# Altium PCB Venato_PCB_v2.PcbDoc (part 2 of 2)
Units mm, origin at the board's own origin, x right, y up, seen from the top; angles counter-clockwise.
Board outline 81.12 x 49.73 mm, 4 copper layers (Top Layer, GND, PWR, Bottom Layer), stack 1.586 mm thick; 111 components, 90 nets, 476 pads, 277 vias.
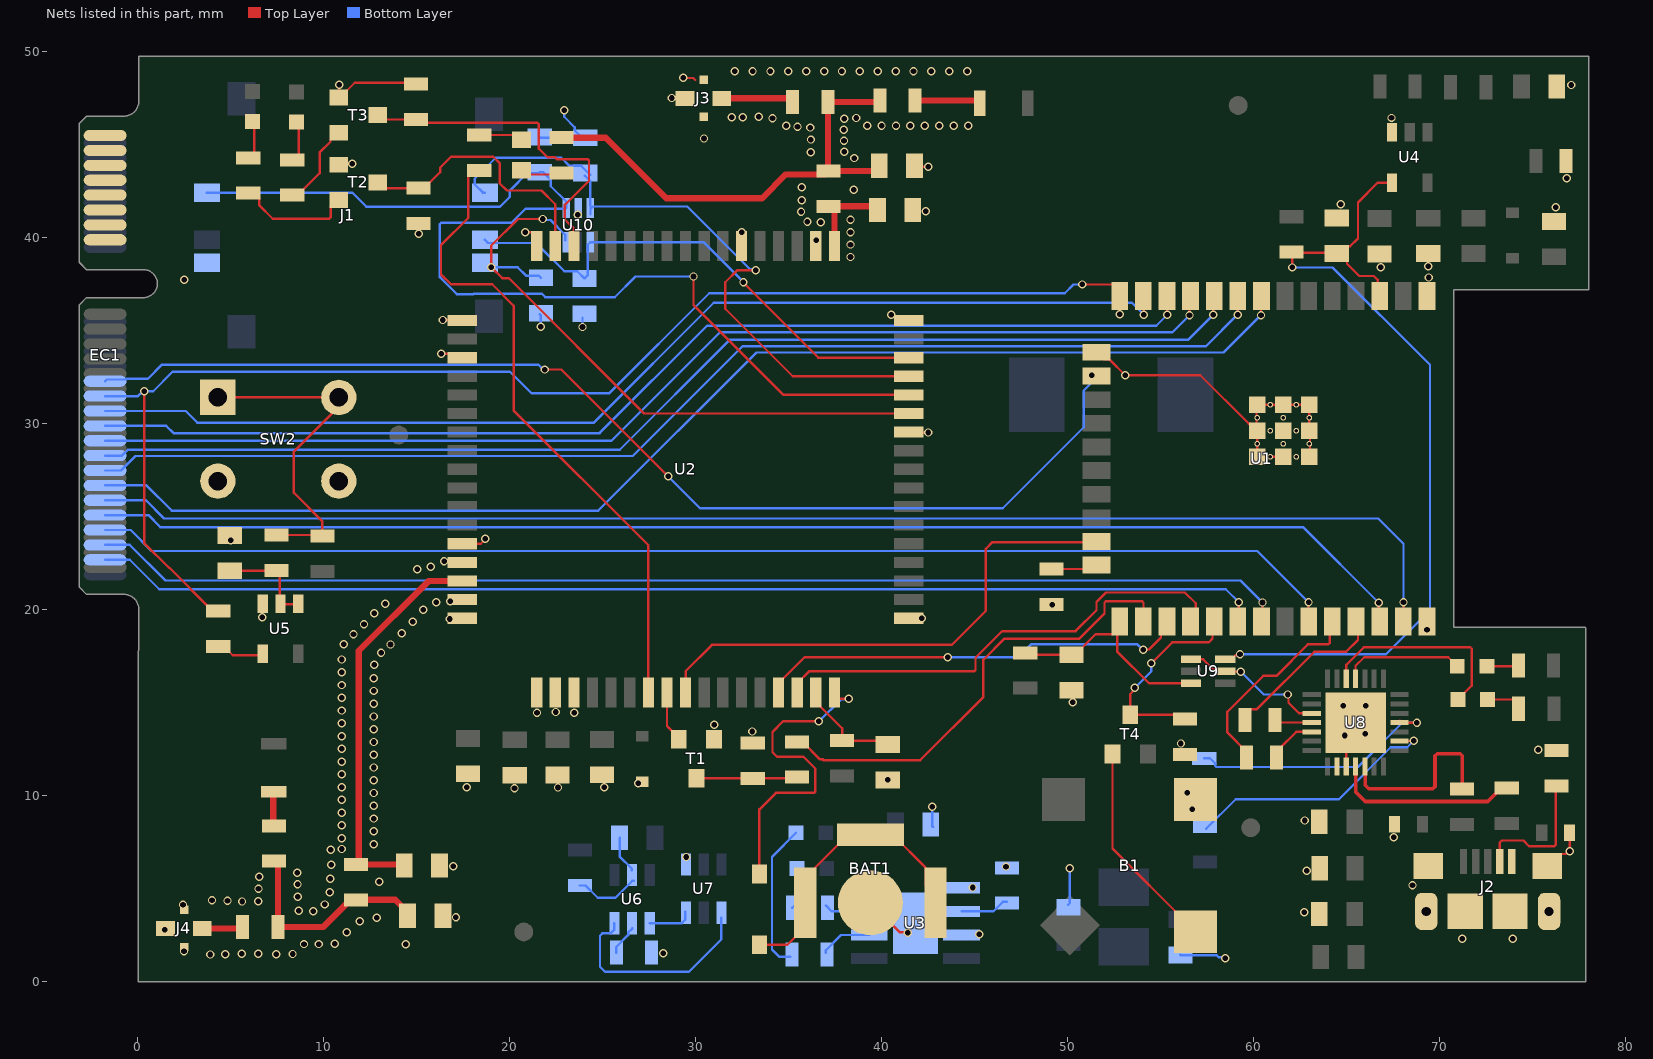
[diagram p4: the nets of this part, all layers, seen from the top]

## Via types
v1: diameter 0.45, hole 0.3, Top Layer to Bottom Layer, 277 vias

## Nets (pads, with @x,y where several pads share a name; then routed paths per layer and width w, separated by ;. In a path a pad name is that pad's centre, name@x,y a point inside that pad or via, vN(x,y) a via of type N, cw(c..) or ccw(c..) an arc to the next point about the centre after c; other vN are vias at no path point) (continued)
ESP32_RESET: C4.2 R2.2 U1.3 U4.4 U9.6 | length 46.9
  Top Layer w0.127: U9.6@58.466,17.33 58.811,17.33 59.021,17.54 59.195,17.54 v1(59.256,17.602) ; v1(62.069,38.385) R2.2@62.069,39.342 ; R2.2@62.266,39.173 64.42,39.173 C4.2@64.452,39.141 C4.2@64.624,39.141 ; U1.3@66.664,37.254 66.653,37.265 66.653,37.723 66.45,37.926 65.667,37.926 65.01,38.583 65.01,38.754 C4.2@64.624,39.141 ; U4.4@67.43,42.944 66.664,42.944 65.596,41.876 65.596,39.946 65.177,39.527 65.01,39.527 C4.2@64.624,39.141
  Bottom Layer w0.127: v1(59.256,17.602) 67.103,17.602 69.465,19.965 69.465,33.154 64.234,38.385 v1(62.069,38.385)
ESP32_RX: G2.1 U1.34 | length 10.9
  Top Layer w0.127: G2.1@59.613,12.056 59.613,12.356 58.578,13.391 58.578,14.509 60.505,16.436 61.213,16.436 62.907,18.13 64.014,18.13 64.088,18.205 64.088,19.037 U1.34@64.208,19.157
ESP32_RX_G: G2.2 U8.26 | length 2.2
  Top Layer w0.127: G2.2@61.387,12.412 61.387,12.53 62.283,13.426 U8.26@63.108,13.426
ESP32_TX: G1.1 U1.35 | length 8.9
  Top Layer w0.127: G1.1@59.537,14.061 59.537,14.361 59.824,14.648 60.172,14.648 63.254,17.73 64.958,17.73 65.596,18.368 U1.35@65.596,19.269
ESP32_TX_G: G1.2 U8.25 | length 2
  Top Layer w0.127: G1.2@61.23,14.126 61.23,14.12 61.424,13.926 U8.25@63.108,13.926
GND: B1.2 BAT1.2 C1.1 C2.1 C3.1 C4.1 C5.1 C6.1 C7.1 C8.1 C9.1 C10.1 C11.1 C12.2 C13.2 C15.1 C16.1 C17.1 C18.1 C19.1 C20.1 C21.1 C22.1 C23.1 C24.1 C25.1 C26.1 C27.1 D3.2 EC1.1 EC1.3 EC1.5 EC1.7 EC1.9 EC1.11 EC1.13 EC1.15 G3.1 J1.5 J2.5 J2.6 J2.7 J2.8 J2.9 J2.10 J2.11 J3.G1 J3.G2 J3.G3 J4.G1 J4.G2 J4.G3 R4.2 R8.1 R15.1 R21.2 R22.1 R31.1 R32.1 R35.1 R36.1 SW2.3 SW2.4 T1.1 T2.1 T3.1 U1.1 U1.15 U1.38 U1.39_1 U1.39_2 U1.39_3 U1.39_4 U1.39_5 U1.39_6 U1.39_7 U1.39_8 U1.39_9 U1.39_10 U1.39_11 U1.39_12 U1.39_13 U1.39_14 U1.39_15 U1.39_16 U1.39_17 U1.39_18 U1.39_19 U1.39_20 U1.39_21 U2.1 U2.2 U2.3 U2.18 U2.28 U2.34 U2.36 U2.40 U2.51 U2.52 U2.54 U2.64 U2.65 U2.67 U2.68 U3.1 U3.3 U3.9 U4.3 U5.3 U7.1 U8.3 U8.29 U10.2 Z1.1 Z2.1 | length 53.5
  Top Layer w0.127: T2.1@10.821,43.906 10.882,43.967 v1(11.557,43.967) ; v1(10.846,48.209) 10.846,47.555 T3.1@10.811,47.52 10.886,47.52 11.677,48.311 R32.1@14.847,48.311 ; R31.1@15.071,40.772 15.113,40.731 v1(15.113,40.186) ; v1@16.255,33.73 16.275,33.751 v1(16.327,33.751) 17.246,33.751 U2.54@17.461,33.536 ; v1@16.465,35.563 17.434,35.563 U2.52@17.461,35.536 ; U2.64@17.461,23.536 18.451,23.536 18.647,23.732 v1@18.733,23.732 ; v1(20.848,40.271) U2.51@21.224,40.271 ; U2.51@21.224,40.272 21.461,40.036 U2.51@21.461,39.536 ; v1(29.33,48.578) 29.34,48.567 29.877,48.567 29.983,48.461 ; BAT1.2@39.392,4.244 40.988,2.648 41.38,2.648 v1(41.404,2.624) ; v1(40.513,35.839) 40.6,35.839 40.668,35.772 41.455,35.772 U2.34@41.647,35.58 ; U2.28@41.461,29.536 41.482,29.515 42.469,29.515 v1@42.494,29.54 ; C25.1@41.763,43.854 41.827,43.79 v1(42.494,43.79) ; U1.15@51.542,33.822 51.928,33.435 52.251,33.435 v1(53.09,32.596) 57.125,32.596 59.728,29.993 59.795,29.993 U1.39_8@60.182,29.607 60.182,28.42 U1.39_9@60.269,28.332 ; U1.39_8@60.147,29.654 60.147,30.972 U1.39_7@60.182,31.007 ; U1.39_9@60.182,28.207 U1.39_6@61.582,28.207 61.703,28.207 U1.39_6@61.754,28.155 ; U1.39_7@60.337,30.975 60.369,31.007 U1.39_4@61.582,31.007 ; U1.39_4@61.564,31.098 61.655,31.007 U1.39_1@62.982,31.007 62.982,29.612 U1.39_2@63.021,29.572 ; U1.39_3@62.982,28.207 63.021,28.246 U1.39_2@63.021,29.572 ; U1.39_2@63.13,29.463 U1.39_2@63.021,29.572 ; U8.29@64.915,13.237 64.968,13.184 U8.3@64.968,11.566 ; J2.7@75.769,6.226 76.405,6.863 76.752,6.863 76.9,7.01 v1(76.987,7.01) 76.987,7.987 Z1.1@76.973,8.002
  Bottom Layer w0.127: C18.1@21.622,45.396 21.671,45.347 23.888,45.347 C17.1@23.896,45.355 ; C15.1@21.633,35.863 21.681,35.815 v1(21.681,35.204) ; v1(22.938,46.839) 22.938,46.485 23.509,45.913 23.509,45.742 C17.1@23.896,45.355 ; v1(23.92,35.184) C16.1@23.92,35.697 ; C17.1@24.067,45.355 C17.1@23.896,45.355 ; v1(42.726,9.398) 42.726,8.348 C9.1@42.762,8.312 ; C23.1@50.022,4.139 50.109,4.226 v1(50.109,6.095) ; C22.1@56.052,1.439 56.061,1.43 57.987,1.43 58.103,1.314 58.404,1.314 v1(58.466,1.252)
  other v1: 3.912,1.462 4.724,1.476 7.456,1.476 5.607,1.504 6.489,1.504 8.339,1.49 28.27,1.524 2.503,1.642 14.426,2.004 8.955,2.022 9.74,2.022 10.608,2.036 71.196,2.311 73.914,2.311 45.251,2.553 11.253,2.652 1.47,2.801 11.953,3.241 12.864,3.437 17.12,3.454 62.719,3.73 9.442,3.791 8.669,3.822 2.453,4.14 10.071,4.152 5.625,4.31 6.501,4.319 4.842,4.353 4.009,4.368 8.628,4.574 10.339,4.811 6.51,4.998 44.884,5.064 68.529,5.182 8.607,5.234 12.996,5.378 10.37,5.522 6.553,5.642 8.587,5.852 62.836,5.956 16.967,6.198 46.68,6.188 10.421,6.275 29.507,6.703 10.401,7.092 10.976,7.133 12.695,7.396 10.977,7.713 67.513,7.772 12.695,8.082 10.977,8.399 62.729,8.664 12.695,8.768 10.977,9.085 56.685,9.261 12.695,9.453 10.977,9.771 12.695,10.139 56.413,10.16 20.267,10.395 22.605,10.435 10.977,10.456 17.699,10.455 25.083,10.455 26.922,10.672 12.695,10.825 40.332,10.853 10.977,11.142 12.695,11.511 10.977,11.828 12.695,12.196 75.286,12.457 10.977,12.514 56.083,12.802 12.695,12.882 10.977,13.199 64.897,13.229 65.986,13.329 33.046,13.447 12.695,13.568 31.012,13.803 10.977,13.885 12.695,14.254 21.476,14.462 23.484,14.452 22.475,14.492 10.977,14.571 64.811,14.821 66.014,14.821 12.695,14.939 50.267,15.011 10.977,15.257 12.695,15.625 10.977,15.942 12.695,16.311 10.977,16.628 12.728,17.036 10.977,17.314 13.095,17.672 13.602,18.119 11.096,18.127 11.614,18.673 14.199,18.726 69.308,18.904 12.178,19.209 14.803,19.345 16.788,19.491 42.15,19.528 6.706,19.583 12.732,19.81 15.359,19.995 49.175,20.256 13.324,20.309 16.062,20.392 16.819,20.452 15.034,22.167 15.773,22.305 16.48,22.6 5.019,23.727 18.694,23.797 42.494,29.515 16.407,35.563 2.515,37.719 69.403,37.845 66.825,38.404 69.375,38.44 38.324,38.947 38.324,39.616 36.478,39.839 32.473,40.27 38.324,40.285 36.724,40.817 36.011,40.849 38.324,40.953 23.674,41.214 35.667,41.372 42.367,41.402 76.221,41.628 64.673,41.777 35.695,42.004 38.491,42.562 35.699,42.696 76.817,43.188 38.528,44.264 36.178,44.584 37.992,44.61 37.974,45.201 36.199,45.259 30.45,45.315 37.958,45.788 36.168,45.903 35.474,45.942 34.867,45.996 39.217,45.999 39.993,45.999 40.769,45.999 41.545,45.999 42.32,45.999 43.096,45.999 43.872,45.999 44.648,45.999 37.992,46.381 34.131,46.402 38.632,46.416 67.399,46.42 31.948,46.453 32.532,46.453 33.395,46.478 28.709,47.494 77.056,48.189 32.1,48.93 33.061,48.93 34.022,48.93 34.982,48.93 35.943,48.93 36.904,48.93 37.865,48.93 38.826,48.93 39.787,48.93 40.748,48.93 41.709,48.93 42.67,48.93 43.631,48.93 44.591,48.93
GPS_ANT: C24.2 R25.1 U2.35 | length 4.3
  Top Layer w0.336: R25.1@37.279,41.668 37.461,41.486 U2.35@37.461,39.536 ; R25.1@37.377,41.668 C24.2@39.503,41.668
GSM_ANT: C26.2 R27.1 U2.66 | length 21.3
  Top Layer w0.336: C26.2@14.392,6.303 11.902,6.303 R27.1@11.751,6.303 11.902,6.454 11.902,17.79 15.648,21.536 U2.66@17.461,21.536
IO0: C3.2 R1.2 U1.25 U9.3 | length 11.8
  Top Layer w0.127: R1.2@47.752,17.644 47.827,17.569 C3.2@50.198,17.569 ; C3.2@50.292,17.432 50.292,17.463 51.499,18.67 52.405,18.67 52.792,19.057 U1.25@52.792,19.357 ; U1.25@52.655,18.87 52.655,17.751 54.376,16.03 U9.3@56.626,16.03
IO2: R35.2 U1.24 | length 2.5
  Top Layer w0.127: R35.2@49.119,22.182 51.328,22.182 U1.24@51.548,22.402
IO5: R36.2 T4.3 U1.29 | length 10.8
  Top Layer w0.127: v1(53.601,15.79) 53.601,15.703 53.355,15.457 T4.3@53.355,14.339 56.219,14.339 R36.2@56.297,14.261 ; v1(54.496,17.115) 55.614,18.233 57.575,18.233 57.781,18.439 U1.29@57.781,19.214
  Bottom Layer w0.127: v1(53.601,15.79) 54.496,16.685 v1(54.496,17.115)
IO12: EC1.28 R11.2 U1.14 | length 73
  Top Layer w0.127: v1(0.36,31.736) 0.36,23.578 1.696,22.242 1.728,22.242 4.045,19.925 R11.2@4.345,19.925 ; v1(50.785,37.472) 52.405,37.472 52.769,37.108 U1.14@52.769,36.469 ; v1@52.773,35.916 52.795,35.938 U1.14@52.795,36.469
  Bottom Layer w0.127: EC1.28@-1.737,31.473 0.036,31.473 0.3,31.736 0.848,31.736 1.89,32.779 20.028,32.779 21.191,31.616 25.354,31.616 30.734,36.996 49.836,36.996 50.312,37.472 v1(50.785,37.472)
  other v1: 52.795,35.875
IO13: EC1.26 U1.16 | length 61.2
  Top Layer w0.127: v1(21.899,32.897) 22.782,32.897 v1(28.521,27.159) ; v1(51.286,32.602) 51.491,32.602 U1.16@51.542,32.552
  Bottom Layer w0.127: EC1.26@-1.737,32.273 -1.646,32.363 -0.611,32.363 -0.576,32.399 0.566,32.399 1.33,33.163 21.547,33.163 21.812,32.897 v1(21.899,32.897) ; v1(28.521,27.159) 30.236,25.444 46.507,25.444 50.856,29.793 50.856,31.764 51.278,32.186 51.278,32.594 v1(51.286,32.602)
IO14: EC1.30 U1.13 | length 60.1
  Top Layer w0.127: U1.13@54.062,36.857 54.085,36.833 v1(54.085,35.851) 54.085,35.843 v1@54.075,35.833
  Bottom Layer w0.127: EC1.30@-1.737,30.673 2.595,30.673 3.22,30.048 24.532,30.048 30.975,36.491 53.445,36.491 v1(54.085,35.851)
IO15: U1.23 U2.9 | length 27.8
  Top Layer w0.127: U2.9@29.461,15.536 29.461,16.688 30.873,18.101 43.764,18.101 45.601,19.937 45.601,23.271 45.953,23.624 U1.23@51.266,23.624
IO18: EC1.50 U1.30 | length 62.9
  Top Layer w0.127: U1.30@59.142,19.357 59.195,19.41 v1(59.195,20.388)
  Bottom Layer w0.127: EC1.50@-1.737,22.673 -0.408,22.673 1.173,21.091 58.492,21.091 v1(59.195,20.388)
IO19: EC1.48 U1.31 | length 64.6
  Top Layer w0.127: U1.31@60.412,19.357 60.466,19.411 60.466,20.374 v1@60.516,20.423
  Bottom Layer w0.127: EC1.48@-1.737,23.473 -0.408,23.473 1.502,21.563 59.282,21.563 v1(60.466,20.379)
IO21: EC1.46 U1.33 | length 67.3
  Top Layer w0.127: U1.33@62.952,19.357 62.941,19.367 62.941,20.348 v1@62.958,20.366
  Bottom Layer w0.127: EC1.46@-1.737,24.273 -0.36,24.273 0.765,23.148 60.181,23.148 v1(62.941,20.388)
IO22: EC1.44 U1.36 | length 71.5
  Top Layer w0.127: v1@66.652,20.37 66.714,20.307 66.714,19.404 U1.36@66.762,19.357
  Bottom Layer w0.127: EC1.44@-1.737,25.073 0.591,25.073 1.232,24.432 62.65,24.432 v1(66.714,20.367)
IO23: EC1.42 U1.37 | length 75
  Top Layer w0.127: U1.37@68.032,19.357 68.042,19.367 68.042,20.281 v1@68.131,20.37
  Bottom Layer w0.127: EC1.42@-1.737,25.873 0.455,25.873 1.434,24.894 66.685,24.894 68.042,23.537 v1(68.042,20.387)
IO25: EC1.36 U1.10 | length 63.7
  Top Layer w0.127: v1@57.854,35.848 57.826,35.876 57.826,36.811 U1.10@57.872,36.857
  Bottom Layer w0.127: EC1.36@-1.737,28.273 -0.824,28.273 -0.509,28.588 25.923,28.588 31.825,34.49 56.464,34.49 v1(57.826,35.853)
IO26: EC1.34 U1.11 | length 62.2
  Top Layer w0.127: v1@56.537,35.788 56.542,35.792 v1(56.542,35.819) 56.542,36.797 U1.11@56.602,36.857
  Bottom Layer w0.127: EC1.34@-1.737,29.073 1.299,29.073 1.307,29.064 25.468,29.064 31.297,34.894 55.616,34.894 v1(56.542,35.819)
IO27: EC1.32 U1.12 | length 60.9
  Top Layer w0.127: U1.12@55.332,36.857 55.347,36.841 55.347,35.909 v1@55.363,35.893
  Bottom Layer w0.127: EC1.32@-1.737,29.873 1.555,29.873 1.948,29.48 24.84,29.48 30.615,35.255 54.757,35.255 v1(55.347,35.845)
IO32: EC1.40 U1.8 | length 68.1
  Top Layer w0.127: v1@60.396,35.816 60.386,35.827 60.386,36.831 U1.8@60.412,36.857
  Bottom Layer w0.127: EC1.40@-1.737,26.673 0.488,26.673 1.855,25.305 24.763,25.305 33.269,33.811 58.376,33.811 v1(60.386,35.821)
IO33: EC1.38 U1.9 | length 65.3
  Top Layer w0.127: v1@59.119,35.856 59.131,35.867 59.131,36.846 U1.9@59.142,36.857
  Bottom Layer w0.127: EC1.38@-1.737,27.473 -0.887,27.473 -0.109,28.25 26.622,28.25 32.518,34.146 57.424,34.146 v1(59.131,35.853)
NET: R31.2 T2.3 U2.50 | length 14.2
  Top Layer w0.127: T2.3@12.921,42.956 13.246,42.632 R31.2@14.957,42.632 ; R31.2@15.16,42.694 15.465,42.694 16.28,43.51 16.28,43.752 16.861,44.332 19.129,44.332 19.469,43.992 19.469,42.908 19.859,42.518 21.724,42.518 22.461,41.781 U2.50@22.461,39.536
NetANT1_1: ANT1.1 R23.2 | length 3.2
  Top Layer w0.336: R23.2@41.802,47.356 ANT1.1@45.009,47.356
NetANT2_1: ANT2.1 R24.2 | length 1.7
  Top Layer w0.336: ANT2.1@7.308,10.107 7.308,8.414 R24.2@7.346,8.376
NetB1_1: B1.1 T4.1 | length 11.2
  Top Layer w0.127: T4.1@52.405,12.239 52.405,7.154 56.45,3.109 B1.1@56.838,3.109
NetBAT1_1: BAT1.1 D7.2 | length 13.9
  Top Layer w0.127: D7.2@33.426,1.987 34.935,1.987 36.286,3.338 BAT1.1@36.286,3.815 ; BAT1.1@35.389,5.299 35.646,5.299 36.428,6.081 36.428,6.131 38.192,7.894 BAT1.1@39.392,7.894 40.592,7.894 42.355,6.131 42.355,5.194 BAT1.1@42.529,5.02
NetC8_2: C8.2 R5.2 U2.16 | length 5.5
  Top Layer w0.127: U2.16@36.45,15.531 36.45,15.046 37.875,13.621 R5.2@37.875,12.955 39.887,12.955 C8.2@40.124,12.718
NetC14_2: C14.2 R14.1 U6.5 | length 5.6
  Bottom Layer w0.127: R14.1@23.781,5.169 24.081,5.169 24.741,4.509 25.687,4.509 26.594,5.417 U6.5@26.666,5.417 ; C14.2@25.916,7.732 25.916,6.728 26.577,6.067 U6.5@26.577,5.974
NetC25_2: C25.2 R23.1 R25.2 R26.1 R34.2 | length 25.4
  Top Layer w0.336: R34.2@22.786,45.361 25.171,45.361 28.421,42.111 33.573,42.111 34.849,43.386 36.954,43.386 R25.2@37.136,43.568 ; R26.1@37.116,47.131 37.116,43.588 R25.2@37.136,43.568 ; R26.1@37.116,47.272 R23.1@39.837,47.272 ; C25.2@39.942,43.568 R25.2@37.136,43.568
NetC27_2: C27.2 R24.1 R27.2 R28.1 | length 11.5
  Top Layer w0.336: R24.1@7.36,6.356 7.499,6.356 7.56,6.294 R28.1@7.56,2.946 ; R28.1@7.538,2.938 9.986,2.938 11.451,4.403 R27.2@11.751,4.403 13.86,4.403 14.365,3.898 C27.2@14.365,3.579
NetD1_1: D1.1 R7.2 | length 8
  Bottom Layer w0.127: R7.2@35.082,1.346 34.481,1.346 34.102,1.724 34.102,6.709 D1.1@35.397,8.003
NetD2_1: D2.1 R6.2 | length 2.1
  Bottom Layer w0.127: R6.2@35.197,3.974 35.354,4.131 D2.1@35.354,5.993
NetD5_1: D5.1 U8.19 | length 11
  Top Layer w0.127: U8.19@64.968,16.286 64.968,17.028 65.906,17.966 71.636,17.966 71.71,17.891 71.71,15.912 71.043,15.244 D5.1@71.043,15.092
NetD5_2: D5.2 R16.1 | length 2
  Top Layer w0.127: D5.2@72.566,15.167 73.944,15.167 74.194,14.918 R16.1@74.194,14.652
NetD6_1: D6.1 U8.18 | length 6.6
  Top Layer w0.127: U8.18@65.468,16.286 65.468,16.977 65.931,17.44 70.448,17.44 D6.1@70.936,16.953
NetD6_2: D6.2 R17.1 | length 1.6
  Top Layer w0.127: D6.2@72.536,16.953 74.037,16.953 R17.1@74.099,17.015
NetD7_1: D7.1 U2.17 | length 17.6
  Top Layer w0.127: D7.1@33.426,5.787 33.426,9.258 34.314,10.146 36.362,10.146 36.437,10.221 36.437,11.446 35.796,12.087 34.375,12.087 34.132,12.329 34.132,13.421 34.704,13.992 v1(36.627,13.992) ; U2.17@37.493,15.534 37.493,15.409 37.697,15.205 v1(38.221,15.205)
  Bottom Layer w0.127: v1(36.627,13.992) 37.806,15.171 38.187,15.171 v1(38.221,15.205)
NetD8_1: D8.1 R29.2 | length 2.1
  Top Layer w0.127: R29.2@5.953,44.278 5.991,44.278 6.277,44.564 D8.1@6.277,46.268
NetD9_1: D9.1 R30.2 | length 2.3
  Top Layer w0.127: R30.2@8.32,44.171 8.388,44.171 8.675,44.458 D9.1@8.675,46.314
NetJ2_4: J2.4 R21.1 | length 7.4
  Top Layer w0.127: J2.4@73.219,6.451 73.219,7.48 73.33,7.591 74.486,7.591 74.805,7.272 76.144,7.272 76.219,7.346 76.219,10.414 R21.1@76.28,10.475
NetJ3_1: J3.1 R26.2 | length 3.9
  Top Layer w0.336: J3.1@31.445,47.562 31.533,47.474 35.034,47.474 35.216,47.292 R26.2@35.216,47.272
NetJ4_1: J4.1 R28.2 | length 2.1
  Top Layer w0.336: J4.1@3.552,2.847 3.569,2.864 5.578,2.864 R28.2@5.66,2.946
NetL2_1: L2.1 R33.2 | length 2.4
  Top Layer w0.127: R33.2@18.371,45.505 20.509,45.505 L2.1@20.683,45.33
NetL2_2: L2.2 R34.1 | length 2.3
  Top Layer w0.127: L2.2@20.653,43.617 20.889,43.382 R34.1@22.889,43.382
NetR3_2: R3.2 R4.1 T1.3 | length 5.3
  Top Layer w0.127: T1.3@30.047,10.934 R4.1@32.981,10.934 ; R4.1@33.073,10.926 35.298,10.926 R3.2@35.421,11.049
NetR6_1: R6.1 U3.7 | length 2.5
  Bottom Layer w0.127: R6.1@37.003,4.092 37.315,3.78 U3.7@39.338,3.78
NetR7_1: R7.1 U3.6 | length 2.8
  Bottom Layer w0.127: R7.1@36.993,1.55 36.993,1.683 37.82,2.51 U3.6@39.338,2.51
NetR8_2: R8.2 U3.2 | length 2.7
  Bottom Layer w0.127: U3.2@44.288,3.78 45.997,3.78 46.512,4.294 R8.2@46.738,4.294
NetR11_1: R11.1 U5.4 | length 2.7
  Top Layer w0.127: R11.1@4.345,18.025 4.645,18.025 5.123,17.547 U5.4@6.799,17.547
NetR15_2: R15.2 U6.2 | length 1.7
  Bottom Layer w0.127: R15.2@25.738,1.565 25.738,1.865 26.374,2.501 26.374,2.635 U6.2@26.603,2.864
NetR18_1: R18.1 U8.9 | length 13.9
  Top Layer w0.127: U8.9@67.828,12.926 67.839,12.937 68.586,12.937 v1(68.597,12.948)
  Bottom Layer w0.127: R18.1@57.442,8.227 59.024,9.809 64.571,9.809 67.363,12.601 68.249,12.601 v1(68.597,12.948)
NetR22_2: R22.2 U8.11 | length 13.6
  Top Layer w0.127: U8.11@67.852,14.018 67.954,13.916 v1(68.766,13.916)
  Bottom Layer w0.127: R22.2@57.339,12.005 57.639,12.005 57.925,11.718 57.925,11.61 57.999,11.535 65.592,11.535 67.972,13.916 v1(68.766,13.916)
NetR29_1: R29.1 T2.2 | length 6.4
  Top Layer w0.127: R29.1@5.953,42.378 6.253,42.378 6.539,42.091 6.539,41.737 7.275,41.002 10.308,41.002 10.385,41.079 10.385,41.645 10.593,41.853 T2.2@10.908,41.853
NetR30_1: R30.1 T3.2 | length 4.5
  Top Layer w0.127: R30.1@8.32,42.271 8.62,42.271 9.795,43.447 9.795,44.565 10.375,45.145 10.375,45.259 10.629,45.513 T3.2@10.742,45.513
NetT1_2: T1.2 U2.8 | length 2.7
  Top Layer w0.127: U2.8@28.461,15.536 28.461,13.745 29.1,13.106 T1.2@29.119,13.106
NetU6_1: U6.1 U7.6 | length 2.4
  Bottom Layer w0.127: U6.1@27.536,3.133 29.245,3.133 29.447,3.334 U7.6@29.447,3.775
NetU6_3: U6.3 U7.4 | length 11.4
  Bottom Layer w0.127: U6.3@25.636,3.133 25.636,2.808 25.424,2.597 24.989,2.597 24.861,2.469 24.861,0.803 25.133,0.53 29.637,0.53 31.379,2.272 U7.4@31.379,3.449
RI: U8.2
RTS: U8.24 U9.1 U9.5 | length 7.6
  Top Layer w0.127: U9.1@56.626,17.33 56.636,17.32 57.287,17.32 57.816,16.791 58.355,16.791 U9.5@58.466,16.68 ; U9.5@58.757,16.667 v1(59.297,16.667) ; v1(61.814,15.433) 61.861,15.386 61.861,14.995 62.43,14.426 U8.24@63.108,14.426
  Bottom Layer w0.127: v1(59.297,16.667) 60.531,15.433 v1(61.814,15.433)
SIM808_RX: U1.28 U2.15 | length 26
  Top Layer w0.127: U2.15@35.461,15.536 35.461,16.036 36.102,16.677 44.971,16.677 45.046,16.751 45.046,17.408 46.478,18.84 50.421,18.84 51.545,19.964 51.545,20.411 52.053,20.919 56.289,20.919 56.874,20.334 56.874,19.687 U1.28@56.535,19.348
SIM808_TX: U1.27 U2.14 | length 23.4
  Top Layer w0.127: U2.14@34.461,15.536 34.461,16.036 35.87,17.445 v1(43.541,17.445) ; v1(54.048,17.844) 54.057,17.852 54.374,17.852 55.012,18.49 55.012,19.121 U1.27@55.329,19.437
  Bottom Layer w0.127: v1(43.541,17.445) 47.347,17.445 48.03,18.128 53.745,18.128 54.03,17.844 v1(54.048,17.844)
SIM_CLK: C17.2 J1.3 U2.31 U10.3 | length 35.6
  Top Layer w0.127: v1(33.225,38.227) 32.232,38.227 31.597,37.591 31.597,36.164 35.225,32.536 U2.31@41.461,32.536
  Bottom Layer w0.127: J1.3@18.673,42.409 18.568,42.409 18.131,42.845 18.131,43.156 19.259,44.284 22.776,44.284 23.219,43.842 23.854,43.842 C17.2@24.33,43.365 ; C17.2@24.048,43.317 24.082,43.282 24.344,43.02 U10.3@24.344,41.728 ; U10.3@24.348,41.728 U10.3@24.348,41.525 ; v1(33.225,38.227) 33.164,38.289 32.918,38.289 29.549,41.658 24.481,41.658 U10.3@24.348,41.525 ; U10.3@24.348,41.525 24.348,41.231 U10.3@24.348,41.525
SIM_DATA: C18.2 J1.7 U2.30 U10.1 | length 61.4
  Top Layer w0.127: v1(29.886,37.899) 29.886,36.374 34.724,31.536 U2.30@41.461,31.536
  Bottom Layer w0.127: J1.7@3.733,42.409 11.544,42.409 12.308,41.645 19.483,41.645 20.017,42.18 20.017,42.526 20.938,43.447 21.573,43.447 C18.2@21.622,43.496 21.822,43.496 22.208,43.11 22.208,43.051 22.216,43.043 22.216,42.753 23.044,41.925 U10.1@23.044,41.58 ; U10.1@22.991,41.545 20.87,41.545 20.114,40.789 16.333,40.789 16.258,40.714 16.258,37.855 17.164,36.95 18.057,36.95 18.075,36.968 21.741,36.968 21.927,36.782 25.655,36.782 26.771,37.899 v1(29.886,37.899)
SIM_ON: R3.1 U1.26 | length 25.2
  Top Layer w0.127: R3.1@35.442,12.891 35.742,12.891 36.685,11.949 36.824,11.949 36.865,11.908 42.077,11.908 45.466,15.296 45.466,17.297 46.606,18.438 50.626,18.438 51.976,19.787 51.976,20.367 52.05,20.442 53.996,20.442 54.071,20.367 U1.26@54.071,19.326
SIM_RST: C16.2 J1.2 U2.32 U10.4 | length 28.2
  Top Layer w0.127: v1(32.571,37.596) 32.571,37.565 36.6,33.536 U2.32@41.461,33.536
  Bottom Layer w0.127: J1.2@18.673,39.869 18.842,39.7 21.43,39.7 22.949,38.181 23.64,38.181 C16.2@24.027,37.794 24.208,37.975 U10.4@24.208,39.603 ; U10.4@24.365,39.749 30.418,39.749 v1(32.571,37.596) ; U10.4@24.208,39.603 U10.4@24.344,39.74 U10.4@24.208,39.603
SIM_VDD: C15.2 J1.1 U2.29 U10.6 | length 34.9
  Top Layer w0.127: v1(19.021,38.395) 19.035,38.395 19.028,38.388 19.606,37.81 19.96,37.81 27.234,30.536 U2.29@41.461,30.536 ; v1@19.036,38.509 19.021,38.524 19.021,39.56 20.451,40.991 v1(21.781,40.991)
  Bottom Layer w0.127: v1(19.021,38.395) 20.436,38.395 20.883,37.948 21.562,37.948 C15.2@21.683,37.827 ; v1(21.781,40.991) 21.838,40.933 22.196,40.933 22.985,40.144 U10.6@22.985,39.845
STATUS: R32.2 T3.3 U2.49 | length 18.2
  Top Layer w0.127: T3.3@12.911,46.57 13.146,46.335 R32.2@15.026,46.335 ; R32.2@15.311,46.285 15.437,46.159 21.498,46.159 21.573,46.084 21.573,44.773 22.039,44.307 22.442,44.307 22.543,44.206 24.196,44.206 24.27,44.132 24.27,43.034 24.256,43.034 22.971,41.749 22.971,40.968 23.461,40.479 U2.49@23.461,39.536
USB_N: R19.2 U8.5 | length 9.8
  Top Layer w0.194: U8.5@65.974,11.5 65.988,11.485 65.988,10.559 66.174,10.374 69.623,10.374 69.737,10.487 69.737,12.141 69.851,12.255 71.082,12.255 71.196,12.141 R19.2@71.196,10.345
USB_P: R20.2 U8.4 | length 9.7
  Top Layer w0.194: U8.4@65.475,11.3 65.468,11.293 65.468,10.21 65.991,9.687 72.567,9.687 73.293,10.413 R20.2@73.593,10.413
USER_BUTTON: R10.1 R13.1 SW2.1 SW2.2 | length 17.1
  Top Layer w0.127: SW2.1@4.324,31.4 10.707,31.4 SW2.2@10.737,31.43 ; R13.1@7.468,24.01 9.497,24.01 R10.1@9.527,24.041 ; R10.1@9.943,23.946 9.943,24.738 8.409,26.273 8.409,28.489 10.485,30.565 10.485,30.581 10.825,30.922 SW2.2@10.841,30.922
USER_BUTTON_BUFF: C13.1 R13.2 U5.1 U5.2 | length 5.7
  Top Layer w0.127: C13.1@4.963,22.085 R13.2@7.492,22.085 ; R13.2@7.468,22.11 R13.2@7.492,22.085 ; U5.2@7.653,20.282 7.653,21.925 R13.2@7.492,22.085 ; R13.2@7.653,22.001 7.569,22.085 R13.2@7.492,22.085 ; U5.2@7.69,20.32 7.728,20.282 U5.1@8.714,20.282
VCC_ANT: R33.1 U2.7 | length 35.3
  Top Layer w0.127: R33.1@18.664,43.707 18.173,43.707 17.785,43.318 17.785,41.048 16.32,39.583 16.32,38.011 16.851,37.48 19.072,37.48 20.221,36.331 20.221,30.696 27.461,23.456 U2.7@27.461,15.536
pads on no net: ANT1.2 ANT2.2 B1.P1 B1.P2 EC1.4 EC1.6 EC1.8 EC1.10 EC1.12 EC1.14 EC1.16 EC1.17 EC1.18 EC1.19 EC1.20 EC1.21 EC1.22 EC1.23 EC1.24 EC1.25 EC1.27 EC1.29 EC1.31 EC1.33 EC1.35 EC1.37 EC1.39 EC1.41 EC1.43 EC1.45 EC1.47 EC1.49 EC1.51 EC1.52 FID1.1 FID2.1 FID3.1 FID4.1 J1.6 J1.P1 J1.P2 J1.P3 J1.P4 U1.4 U1.5 U1.6 U1.7 U1.17 U1.18 U1.19 U1.20 U1.21 U1.22 U1.32 U2.10 U2.11 U2.12 U2.13 U2.19 U2.20 U2.21 U2.22 U2.23 U2.24 U2.25 U2.26 U2.27 U2.33 U2.37 U2.38 U2.39 U2.41 U2.42 U2.43 U2.44 U2.45 U2.46 U2.47 U2.48 U2.53 U2.55 U2.56 U2.57 U2.58 U2.59 U2.60 U2.61 U2.62 U2.63 U6.4 U7.2 U7.5 U8.10 U8.12 U8.13 U8.14 U8.15 U8.16 U8.17 U8.20 U8.21 U8.22 U10.5

## Polygon pours and split planes (outlines as drawn)
-VBAT on Bottom Layer "-VBAT_L04_P051" (solid, pour order 51): 53.924,33.503 53.924,30.734 53.01,30.734 48.514,26.238 48.514,25.883 49.022,25.375 55.728,25.375 58.979,28.626 58.979,33.553
+3.7V_U8 on Bottom Layer "+3.7V_U8_L04_P050" (solid, pour order 50): 67.158,11.887 65.227,9.957 65.227,7.62 65.227,7.214 66.192,7.214 66.192,9.195 68.047,11.049 68.047,11.05
+5V_USB on Bottom Layer "+5V_USB_L04_P049" (solid, pour order 49): 69.317,13.132 72.593,9.855 72.593,6.35 69.494,6.35 67.412,4.267 58.674,4.267 57.023,2.616 55.296,2.616 55.22,2.692 55.22,3.632 55.194,3.658 55.169,3.632 51.435,3.632 51.537,3.734 51.537,6.807 55.499,6.807 55.55,6.756 55.524,6.731 55.524,4.445 56.439,4.445 57.455,5.461 66.269,5.461 68.428,7.62 70.18,7.62 70.256,7.696 70.256,9.22 70.231,9.22 67.818,11.633
-VBAT on Bottom Layer "-VBAT_L04_P048" (solid, pour order 48): 43.167,20.028 44.145,19.05 44.171,19.05 44.171,18.999 41.834,16.662 41.834,14.808 38.71,11.684 34.011,11.684 31.928,9.601 31.928,5.461 31.14,4.674 27.153,4.674 27.153,8.738 27.127,8.763 27.153,8.788 29.413,8.788 34.087,13.462 37.922,13.462 40.818,16.358 40.818,17.678
+3.7V_B on Bottom Layer "+3.7V_B_L04_P047" (solid, pour order 47): 37.617,0.787 37.617,1.829 40.411,1.829 40.411,0.787
GND on Bottom Layer "GND_L04_P046" (solid, pour order 46): 1.702,37.49 1.702,39.167 4.953,39.167 4.953,37.49
GND on Bottom Layer "GND_L04_P045" (solid, pour order 45): 56.083,9.017 56.083,10.744 58.014,10.744 58.014,9.017
+3.7V_B on Bottom Layer "+3.7V_B_L04_P044" (solid, pour order 44): 58.649,7.214 58.649,5.69 56.693,5.69 56.693,7.214
+3.7V_B on Bottom Layer "+3.7V_B_L04_P043" (solid, pour order 43): 41.554,7.747 40.03,7.747 40.03,9.754 41.554,9.754
GND on Bottom Layer "GND_L04_P042" (solid, pour order 42): 43.561,7.747 42.037,7.747 42.037,9.703 43.561,9.703
+3.7V_B on Bottom Layer "+3.7V_B_L04_P041" (solid, pour order 41): 22.581,6.248 22.581,7.772 24.46,7.772 24.46,6.248
GND on Bottom Layer "GND_L04_P040" (solid, pour order 40): 27.153,0.737 27.153,2.261 28.804,2.261 28.804,0.737
+5V on Bottom Layer "+5V_L04_P018" (solid, pour order 18): 32.503,0.21 32.368,0.21 32.356,0.21 32.126,0.44 32.126,0.465 32.126,8.042 34.355,10.271 37.177,10.271 38.214,9.234 38.214,5.784 40.253,5.784 40.465,5.573 40.436,5.545 40.436,4.677 37.382,4.677 35.999,6.06 35.999,8.761 34.489,8.761 33.001,7.233 33.001,1.39 33.735,0.656 40.754,0.656 41.156,1.058 43.025,1.058 43.2,1.232 43.2,1.703 47.569,1.869 48.798,3.098 54.999,3.098 54.999,0.223
GND on Bottom Layer "GND_L04_P007" (solid, pour order 7): 20.581,36.509 20.571,36.5 20.571,34.863 25.231,34.863 25.241,34.853 25.241,36.49
GND on Top Layer "GND_L01_P014" (solid, pour order 14): 23.871,16.684 23.871,14.127 23.85,14.106 23.756,14.199 16.539,14.199 16.539,12.067 16.582,12.024 16.69,12.132 27.941,12.132 27.941,-0.027 27.903,0.011 0.003,0.011 0.003,9.87 10.022,9.87 10.022,19.798 14.387,24.162 23.749,24.162
GND on Top Layer "GND_L01_P016" (solid, pour order 16): 22.073,49.39 22.073,44.398 22.073,38.665 44.996,38.719 44.996,49.427
GND on Top Layer "GND_L01_P039" (solid, pour order 39): 57.125,11.633 57.125,13.157 55.474,13.157 55.474,11.633
+3.7V_B on Top Layer "+3.7V_B_L01_P038" (solid, pour order 38): 55.169,11.125 55.169,12.802 53.518,12.802 53.518,11.125
GND on Top Layer "GND_L01_P037" (solid, pour order 37): 51.054,14.681 51.054,16.205 49.403,16.205 49.403,14.681
+3.7V_B on Top Layer "+3.7V_B_L01_P036" (solid, pour order 36): 48.539,14.783 48.539,16.307 46.888,16.307 46.888,14.783
GND on Top Layer "GND_L01_P035" (solid, pour order 35): 68.377,7.442 68.377,8.966 66.726,8.966 66.726,7.442
+5V_USB on Top Layer "+5V_USB_L01_P034" (solid, pour order 34): 71.526,5.639 71.526,7.874 70.733,7.874 70.733,5.639
GND on Top Layer "GND_L01_P003" (solid, pour order 3): 76.503,8.657 77.097,9.251 77.097,11.365 76.731,11.73 74.757,11.73 74.726,11.762 74.726,12.818 77.427,12.818 77.553,12.818 77.547,12.485 77.547,8.657 77.553,8.657 77.553,7.136 77.547,7.13 77.547,0.236 68.132,0.236 68.132,7.236 70.542,7.236 70.542,5.131 73.425,5.131 73.626,5.332 73.626,7.001 76.503,7.001
+3.7V_B on Top Layer "+3.7V_B_L01_P033" (solid, pour order 33): 11.278,21.387 11.278,22.911 9.271,22.911 9.271,21.387
GND on Top Layer "GND_L01_P032" (solid, pour order 32): 5.537,19.241 7.061,19.241 7.061,20.892 5.537,20.892
GND on Top Layer "GND_L01_P011" (solid, pour order 11): 1.076,38.665 1.097,38.644 1.097,37.202 3.998,37.202 3.998,37.302 3.998,46.443 3.986,46.455 -2.769,46.453 -2.769,39.588 -1.846,38.665
USER_BUTTON_BUFF on Top Layer "USER_BUTTON_BUFF_L01_P019" (solid, pour order 19): 7.26,21.278 7.264,21.273 7.265,21.249 7.265,19.629 8.939,19.629 8.977,19.667 8.965,19.679 8.939,22.851 4.029,22.851 4.029,21.278
+3.7V_B on Top Layer "+3.7V_B_L01_P031" (solid, pour order 31): 7.976,16.51 9.5,16.51 9.5,18.161 7.976,18.161
GND on Top Layer "GND_L01_P030" (solid, pour order 30): 10.312,44.628 10.312,43.104 11.963,43.104 11.963,44.628
GND on Top Layer "GND_L01_P029" (solid, pour order 29): 10.033,48.844 10.033,47.041 16.662,47.041 16.662,48.844
+3.7V_B on Top Layer "+3.7V_B_L01_P028" (solid, pour order 28): 5.486,48.793 5.486,47.269 9.474,47.269 9.474,48.793
GND on Top Layer "GND_L01_P027" (solid, pour order 27): 66.167,46.609 66.167,45.085 67.818,45.085 67.818,46.609
+3.7V_B on Top Layer "+3.7V_B_L01_P026" (solid, pour order 26): 65.837,48.997 65.837,47.473 67.488,47.473 67.488,48.997
GND on Top Layer "GND_L01_P025" (solid, pour order 25): 75.616,49.073 75.616,42.062 75.59,42.088 75.133,42.088 75.133,40.081 77.419,40.081 77.419,49.073 77.368,49.124
GND on Top Layer "GND_L01_P024" (solid, pour order 24): 65.977,39.675 65.977,38.151 67.627,38.151 67.627,39.675
+3.7V_B on Top Layer "+3.7V_B_L01_P023" (solid, pour order 23): 61.239,42.164 61.239,40.64 62.89,40.64 62.89,42.164
GND on Top Layer "GND_L01_P022" (solid, pour order 22): 63.627,42.037 63.627,40.513 65.278,40.513 65.278,42.037
+5V on Top Layer "+5V_L01_P021" (solid, pour order 21): 29.856,0.985 30.631,0.209 44.766,0.209 44.766,1.351 30.572,1.351 30.572,8.409 29.016,9.965 29.016,11.588 29.196,11.769 29.901,11.769 29.901,12.324 28.902,12.324 28.284,11.706 28.284,10.068 29.856,8.496
NetR3_2 on Top Layer "NETR3_2_L01_P015" (solid, pour order 15): 29.262,11.469 29.276,11.483 31.833,11.483 31.833,11.348 31.849,11.363 36.146,11.363 36.146,10.353 29.262,10.353
GND on Top Layer "GND_L01_P017" (solid, pour order 17): 58.464,33.73 58.464,25.834 66.365,25.834 66.168,26.032 66.168,33.681
+3.7V_B on Top Layer "+3.7V_B_L01_P013" (solid, pour order 13): 23.904,16.68 23.904,14.052 23.814,14.052 16.941,14.052 16.941,12.353 27.91,12.353 27.91,13.606 26.881,14.635 26.881,16.669
GND on Top Layer "GND_L01_P012" (solid, pour order 12): 30.327,14.211 30.327,12.239 33.855,12.239 33.891,12.274 33.891,14.211
+3.7V_B on Top Layer "+3.7V_B_L01_P010" (solid, pour order 10): 62.292,2.447 62.292,0.557 64.399,0.557 64.413,0.542 64.456,0.585 64.456,2.433
+3.7V_B on Top Layer "+3.7V_B_L01_P009" (solid, pour order 9): 75.496,18.1 75.496,13.686 75.484,13.675 75.496,13.664 77.447,13.664 77.447,18.088 77.436,18.1
GND on Top Layer "GND_L01_P006" (solid, pour order 6): 68.691,39.659 68.691,39.611 68.691,35.625 70.316,35.625 70.316,39.659
+3.7V_B on Top Layer "+3.7V_B_L01_P005" (solid, pour order 5): 70.711,39.942 70.711,38.184 70.691,38.164 77.467,38.164 77.467,39.942
+3.7V_U1 on Top Layer "+3.7V_U1_L01_P004" (solid, pour order 4): 67.546,37.758 67.594,37.806 67.718,37.93 67.718,38.044 67.704,39.903 67.269,40.337 65.963,40.337 65.932,40.337 65.932,40.452 65.932,41.608 65.932,41.779 72.743,41.779 72.743,40.29 72.743,40.146 72.727,40.146 68.482,40.146 68.482,35.732 68.578,35.637 67.546,35.637
+3.7V_U8 on Top Layer "+3.7V_U8_L01_P002" (solid, pour order 2): 64.828,9.277 64.793,2.499 64.793,0.46 66.191,0.46 66.191,0.708 66.191,9.277
GND on Top Layer "GND_L01_P001" (solid, pour order 1): 62.385,9.725 62.385,2.768 64.508,2.768 64.508,9.725
+3.7V_U8 on Top Layer "+3.7V_U8_L01_P000" (solid, pour order 0): 66.255,12.138 66.272,12.121 66.272,10.679 67.857,10.679 67.872,12.121 67.345,12.13
+3.7V_B on PWR (split plane): 77.483,37.707 70.76,37.707 70.738,37.709 70.639,37.699 70.543,37.67 70.455,37.623 70.377,37.559 70.314,37.482 70.267,37.394 70.237,37.298 70.228,37.198 70.228,26.163 70.222,26.11 70.222,19.05 70.232,18.951 70.261,18.855 70.308,18.767 70.372,18.689 70.449,18.626 70.538,18.579 70.633,18.55 70.733,18.54 77.34,18.54 77.34,0.499 0.544,0.499 0.544,17.621 0.554,17.653 0.566,17.686 0.568,17.701 0.573,17.716 0.576,17.75 0.582,17.785 0.581,17.8 0.582,17.815 0.582,20.015 0.582,20.025 0.574,20.162 0.549,20.307 0.509,20.448 0.452,20.584 0.381,20.712 0.296,20.832 0.198,20.942 0.089,21.039 -0.031,21.124 -0.16,21.195 -0.295,21.252 -0.436,21.292 -0.581,21.317 -0.719,21.325 -0.728,21.326 -2.517,21.326 -2.618,21.427 -2.618,36.154 -2.517,36.255 0.322,36.255 0.333,36.256 0.463,36.263 0.602,36.287 0.738,36.326 0.869,36.38 0.992,36.448 1.108,36.53 1.213,36.624 1.307,36.73 1.389,36.845 1.457,36.968 1.511,37.099 1.55,37.235 1.574,37.374 1.582,37.515 1.574,37.656 1.55,37.796 1.511,37.931 1.457,38.062 1.389,38.186 1.307,38.301 1.213,38.406 1.108,38.5 0.992,38.582 0.869,38.65 0.738,38.704 0.602,38.744 0.463,38.767 0.333,38.775 0.322,38.776 -2.517,38.776 -2.618,38.877 -2.618,45.904 -2.517,46.005 -0.728,46.005 -0.719,46.006 -0.581,46.013 -0.436,46.038 -0.295,46.079 -0.16,46.135 -0.031,46.206 0.089,46.291 0.198,46.389 0.296,46.498 0.381,46.618 0.452,46.747 0.509,46.882 0.549,47.024 0.574,47.168 0.582,47.306 0.582,47.315 0.582,49.213 77.483,49.213
GND on GND (split plane): 77.483,37.707 70.76,37.707 70.738,37.709 70.639,37.699 70.543,37.67 70.455,37.623 70.377,37.559 70.314,37.482 70.267,37.394 70.237,37.298 70.228,37.198 70.228,26.163 70.222,26.11 70.222,19.05 70.232,18.951 70.261,18.855 70.308,18.767 70.372,18.689 70.449,18.626 70.538,18.579 70.633,18.55 70.733,18.54 77.34,18.54 77.34,0.499 0.544,0.499 0.544,17.621 0.554,17.653 0.566,17.686 0.568,17.701 0.573,17.716 0.576,17.75 0.582,17.785 0.581,17.8 0.582,17.815 0.582,20.015 0.582,20.025 0.574,20.162 0.549,20.307 0.509,20.448 0.452,20.584 0.381,20.712 0.296,20.832 0.198,20.942 0.089,21.039 -0.031,21.124 -0.16,21.195 -0.295,21.252 -0.436,21.292 -0.581,21.317 -0.719,21.325 -0.728,21.326 -2.517,21.326 -2.618,21.427 -2.618,36.154 -2.517,36.255 0.322,36.255 0.333,36.256 0.463,36.263 0.602,36.287 0.738,36.326 0.869,36.38 0.992,36.448 1.108,36.53 1.213,36.624 1.307,36.73 1.389,36.845 1.457,36.968 1.511,37.099 1.55,37.235 1.574,37.374 1.582,37.515 1.574,37.656 1.55,37.796 1.511,37.931 1.457,38.062 1.389,38.186 1.307,38.301 1.213,38.406 1.108,38.5 0.992,38.582 0.869,38.65 0.738,38.704 0.602,38.744 0.463,38.767 0.333,38.775 0.322,38.776 -2.517,38.776 -2.618,38.877 -2.618,45.904 -2.517,46.005 -0.728,46.005 -0.719,46.006 -0.581,46.013 -0.436,46.038 -0.295,46.079 -0.16,46.135 -0.031,46.206 0.089,46.291 0.198,46.389 0.296,46.498 0.381,46.618 0.452,46.747 0.509,46.882 0.549,47.024 0.574,47.168 0.582,47.306 0.582,47.315 0.582,49.213 77.483,49.213

## Keep-outs
Keep-Out Layer:
  lines w0.1: -3.166,-0.118 -3.166,49.66 77.799,49.66 77.799,-0.118 -3.166,-0.118

## Silkscreen, mask and mechanical layers (free items; w line width, h text height)
Outline:
  lines w0.2: 0.033,17.768 0.033,17.766 0.033,17.765 ; 0.072,17.815 0.072,20.015 ccw(c-0.728,20.015) -0.728,20.815 -2.728,20.815 -3.128,21.215 -3.128,36.365 -2.728,36.765 0.322,36.765 ccw(c0.322,37.515) 0.322,38.265 -2.728,38.265 -3.128,38.665 -3.128,46.115 -2.728,46.515 -0.728,46.515 ccw(c-0.728,47.315) 0.072,47.315 0.072,49.515 ; 0.073,49.538 0.073,49.723 77.994,49.723 77.994,37.196 76.078,37.196 70.74,37.196 70.738,37.198 70.738,26.115 70.733,26.11 70.733,19.05 77.803,19.05 77.851,19.003 77.851,-0.011 0.033,-0.011 0.033,17.764 ; 0.033,17.765 0.033,17.764

## Dimensions
0.033,-0.011 to 0.387,49.718 on Dimensions
0.387,49.718 to 78.047,50.314 on Dimensions

## Text inside footprints (layer, text, board x,y; h text height)
B1: Top Overlay "+" at 55.974,4.239 h1.52
TB0: Border TitleBlock "Paraqum Technologies (pvt) Ltd." at 294.853,-66.173 h3; Border TitleBlock "PC" at 185.353,-75.237 h3; Border TitleBlock "DATE" at 233.353,-75.212 h3; Border TitleBlock "DWG-NO" at 233.353,-68.237 h3; Border TitleBlock "CREATED BY" at 120.353,-75.287 h3; Border TitleBlock "REV" at 278.353,-68.212 h3; Border TitleBlock "VAR" at 67.353,-75.259 h3; Border TitleBlock "LAYER" at 67.356,-68.262 h3; Border TitleBlock "BOARD" at 120.353,-68.287 h3; Border TitleBlock "PROJECT" at 67.353,-58.287 h3; Border TitleBlock "embedded@paraqum.com" at 345.676,-70.894 h2; Border TitleBlock "+94 11 209 9700" at 305.643,-71.094 h2; Border TitleBlock "embedded.paraqum.com" at 322.618,-77.294 h2